# KiCad board Bus_Card.kicad_pcb (continued)
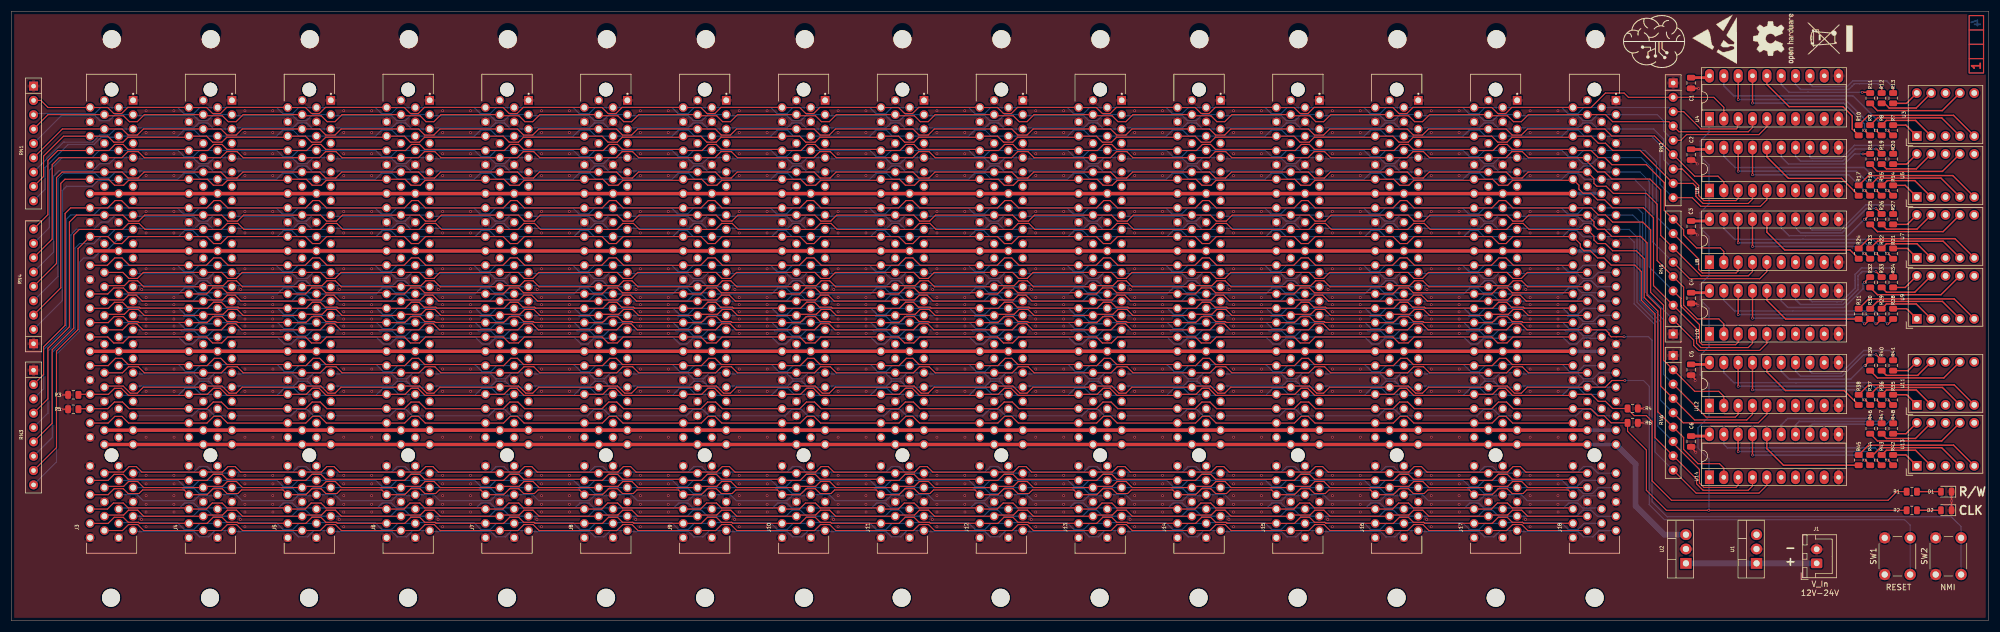
[diagram p0: board, top side]
## Routing (per net, layer and track width the routed paths; a pad name or vN(x,y) marks a point on that pad's centre or on a via; arc(x,y) is an arc through that point) (continued)
/~{IRQ}: length 275.7
  Top w0.2: J18.B27 268.43,59.15 267.37,60.21 265.88,60.21 265.02,59.35 261.68,59.35 J17.B27 250.93,59.15 249.86,60.21 248.37,60.21 247.52,59.35 244.18,59.35 J16.B27 233.43,59.15 232.36,60.21 230.87,60.21 230.02,59.35 226.68,59.35 J15.B27 215.93,59.15 214.86,60.21 213.38,60.21 212.51,59.35 209.18,59.35 J14.B27 198.43,59.15 197.36,60.21 195.88,60.21 195.01,59.35 191.68,59.35 J13.B27 180.93,59.15 179.86,60.21 178.38,60.21 177.51,59.35 174.18,59.35 J12.B27 163.43,59.15 162.36,60.21 160.88,60.21 160.01,59.35 156.68,59.35 J11.B27 145.93,59.15 144.86,60.21 143.38,60.21 142.51,59.35 139.18,59.35 J10.B27 128.43,59.15 127.36,60.21 125.88,60.21 125.01,59.35 121.68,59.35 J9.B27 110.93,59.15 109.86,60.21 108.38,60.21 107.51,59.35 104.18,59.35 J8.B27 93.43,59.15 92.36,60.21 90.88,60.21 90.01,59.35 86.68,59.35 J7.B27 75.93,59.15 74.87,60.21 73.38,60.21 72.51,59.35 69.18,59.35 J6.B27 58.43,59.15 57.37,60.21 55.88,60.21 55.01,59.35 51.68,59.35 J5.B27 40.93,59.15 39.87,60.21 38.38,60.21 37.51,59.35 34.18,59.35 J4.B27 23.43,59.15 22.37,60.21 20.88,60.21 20.02,59.35 16.68,59.35 J3.B27
/~{L_RAM}: length 278.7
  Top w0.2: J18.B24 265.89,62.96 264.59,64.26 263.32,64.26 262.02,62.96 J17.B24 248.39,62.96 247.09,64.26 245.82,64.26 244.52,62.96 J16.B24 230.89,62.96 229.59,64.26 228.32,64.26 227.02,62.96 J15.B24 213.39,62.96 212.09,64.26 210.82,64.26 209.52,62.96 J14.B24 195.89,62.96 194.59,64.26 193.32,64.26 192.02,62.96 J13.B24 178.39,62.96 177.09,64.26 175.82,64.26 174.52,62.96 J12.B24 160.89,62.96 159.59,64.26 158.32,64.26 157.02,62.96 J11.B24 143.39,62.96 142.09,64.26 140.82,64.26 139.52,62.96 J10.B24 125.89,62.96 124.59,64.26 123.32,64.26 122.02,62.96 J9.B24 108.39,62.96 107.09,64.26 105.82,64.26 104.52,62.96 J8.B24 90.89,62.96 89.59,64.26 88.32,64.26 87.02,62.96 J7.B24 73.39,62.96 72.09,64.26 70.82,64.26 69.52,62.96 J6.B24 55.89,62.96 54.59,64.26 53.32,64.26 52.02,62.96 J5.B24 38.39,62.96 37.09,64.26 35.82,64.26 34.52,62.96 J4.B24 20.89,62.96 19.59,64.26 18.32,64.26 17.02,62.96 J3.B24
/~{ML}: length 275.9
  Top w0.2: J3.B39 19.68,43.91 20.76,44.98 22.48,44.98 23.56,43.91 J4.B39 37.18,43.91 38.26,44.98 39.98,44.98 41.06,43.91 J5.B39 54.68,43.91 55.76,44.98 57.48,44.98 58.56,43.91 J6.B39 72.18,43.91 73.26,44.98 74.98,44.98 76.06,43.91 J7.B39 89.68,43.91 90.76,44.98 92.48,44.98 93.56,43.91 J8.B39 107.18,43.91 108.26,44.98 109.98,44.98 111.06,43.91 J9.B39 124.68,43.91 125.76,44.98 127.48,44.98 128.56,43.91 J10.B39 142.18,43.91 143.26,44.98 144.98,44.98 146.06,43.91 J11.B39 159.68,43.91 160.76,44.98 162.48,44.98 163.56,43.91 J12.B39 177.18,43.91 178.26,44.98 179.98,44.98 181.06,43.91 J13.B39 194.68,43.91 195.76,44.98 197.48,44.98 198.56,43.91 J14.B39 212.18,43.91 213.26,44.98 214.98,44.98 216.06,43.91 J15.B39 229.68,43.91 230.76,44.98 232.48,44.98 233.56,43.91 J16.B39 247.18,43.91 248.26,44.98 249.98,44.98 251.06,43.91 J17.B39 264.68,43.91 265.76,44.98 267.48,44.98 268.56,43.91 J18.B39
/~{NMI}: length 381.7
  Top w0.2: J3.B33 19.68,51.53 20.75,52.59 22.24,52.59 23.3,51.53 J4.B33 37.18,51.53 38.25,52.59 39.74,52.59 40.8,51.53 J5.B33 54.68,51.53 55.75,52.59 57.24,52.59 58.3,51.53 J6.B33 72.18,51.53 73.25,52.59 74.74,52.59 75.8,51.53 J7.B33 89.68,51.53 90.75,52.59 92.24,52.59 93.3,51.53 J8.B33 107.18,51.53 108.25,52.59 109.74,52.59 110.8,51.53 J9.B33 124.68,51.53 125.75,52.59 127.24,52.59 128.3,51.53 J10.B33 142.18,51.53 143.25,52.59 144.74,52.59 145.8,51.53 J11.B33 159.68,51.53 160.75,52.59 162.24,52.59 163.3,51.53 J12.B33 177.18,51.53 178.25,52.59 179.74,52.59 180.8,51.53 J13.B33 194.68,51.53 195.75,52.59 197.24,52.59 198.3,51.53 J14.B33 212.18,51.53 213.25,52.59 214.74,52.59 215.8,51.53 J15.B33 229.68,51.53 230.75,52.59 232.24,52.59 233.3,51.53 J16.B33 247.18,51.53 248.25,52.59 249.74,52.59 250.8,51.53 J17.B33 264.68,51.53 265.75,52.59 267.24,52.59 268.3,51.53 J18.B33 282.23,51.53 282.83,50.93 282.83,50.67 283.21,50.29 v1(285.5,50.29)
  Bottom w0.2: v1(285.5,50.29) 289.81,50.29 290.45,49.66 290.45,21.08 293.12,18.41 343.41,18.41 345.15,16.67 SW2.2
/~{RDY}: length 275.7
  Bottom w0.2: J3.A41 21.76,41.57 32.46,41.57 33.32,42.43 34.94,42.43 36,41.37 J4.A41 39.26,41.57 49.96,41.57 50.82,42.43 52.44,42.43 53.5,41.37 J5.A41 56.76,41.57 67.46,41.57 68.32,42.43 69.94,42.43 71,41.37 J6.A41 74.26,41.57 84.96,41.57 85.82,42.43 87.44,42.43 88.5,41.37 J7.A41 91.76,41.57 102.46,41.57 103.32,42.43 104.94,42.43 106,41.37 J8.A41 109.26,41.57 119.96,41.57 120.82,42.43 122.44,42.43 123.5,41.37 J9.A41 126.76,41.57 137.46,41.57 138.32,42.43 139.94,42.43 141,41.37 J10.A41 144.26,41.57 154.96,41.57 155.82,42.43 157.44,42.43 158.5,41.37 J11.A41 161.76,41.57 172.46,41.57 173.32,42.43 174.94,42.43 176,41.37 J12.A41 179.26,41.57 189.96,41.57 190.82,42.43 192.44,42.43 193.5,41.37 J13.A41 196.76,41.57 207.46,41.57 208.32,42.43 209.94,42.43 211,41.37 J14.A41 214.26,41.57 224.96,41.57 225.82,42.43 227.44,42.43 228.5,41.37 J15.A41 231.76,41.57 242.46,41.57 243.32,42.43 244.94,42.43 246,41.37 J16.A41 249.26,41.57 259.96,41.57 260.82,42.43 262.44,42.43 263.5,41.37 J17.A41 266.76,41.57 277.46,41.57 278.32,42.43 279.94,42.43 281,41.37 J18.A41
/~{RES}: length 367.6
  Top w0.2: v1(285.62,42.54) 283.34,42.54 282.16,41.37 J18.B41 268.37,41.37 267.3,40.3 266.07,40.3 264.8,41.57 261.68,41.57 J17.B41 250.87,41.37 249.8,40.3 248.57,40.3 247.3,41.57 244.18,41.57 J16.B41 233.37,41.37 232.3,40.3 231.07,40.3 229.8,41.57 226.68,41.57 J15.B41 215.87,41.37 214.8,40.3 213.57,40.3 212.3,41.57 209.18,41.57 J14.B41 198.37,41.37 197.3,40.3 196.07,40.3 194.8,41.57 191.68,41.57 J13.B41 180.87,41.37 179.8,40.3 178.57,40.3 177.3,41.57 174.18,41.57 J12.B41 163.37,41.37 162.3,40.3 161.07,40.3 159.8,41.57 156.68,41.57 J11.B41 145.87,41.37 144.8,40.3 143.57,40.3 142.3,41.57 139.18,41.57 J10.B41 128.37,41.37 127.3,40.3 126.07,40.3 124.8,41.57 121.68,41.57 J9.B41 110.87,41.37 109.8,40.3 108.57,40.3 107.3,41.57 104.18,41.57 J8.B41 93.37,41.37 92.3,40.3 91.07,40.3 89.8,41.57 86.68,41.57 J7.B41 75.87,41.37 74.8,40.3 73.57,40.3 72.3,41.57 69.18,41.57 J6.B41 58.37,41.37 57.3,40.3 56.07,40.3 54.8,41.57 51.68,41.57 J5.B41 40.87,41.37 39.8,40.3 38.57,40.3 37.3,41.57 34.18,41.57 J4.B41 23.37,41.37 22.3,40.3 21.07,40.3 19.8,41.57 16.68,41.57 J3.B41
  Bottom w0.2: v1(285.62,42.54) 288.93,42.54 289.94,41.53 289.94,20.57 292.61,17.91 335.15,17.91 336.13,16.93 SW1.2
/~{ROM}: length 275.7
  Bottom w0.2: J3.A25 21.76,61.48 32.27,61.48 33.13,60.62 34.87,60.62 35.94,61.69 J4.A25 39.26,61.48 49.77,61.48 50.63,60.62 52.37,60.62 53.44,61.69 J5.A25 56.76,61.48 67.27,61.48 68.13,60.62 69.87,60.62 70.94,61.69 J6.A25 74.26,61.48 84.77,61.48 85.63,60.62 87.37,60.62 88.44,61.69 J7.A25 91.76,61.48 102.27,61.48 103.13,60.62 104.87,60.62 105.94,61.69 J8.A25 109.26,61.48 119.77,61.48 120.63,60.62 122.37,60.62 123.44,61.69 J9.A25 126.76,61.48 137.27,61.48 138.13,60.62 139.87,60.62 140.94,61.69 J10.A25 144.26,61.48 154.77,61.48 155.63,60.62 157.37,60.62 158.44,61.69 J11.A25 161.76,61.48 172.27,61.48 173.13,60.62 174.87,60.62 175.94,61.69 J12.A25 179.26,61.48 189.77,61.48 190.63,60.62 192.37,60.62 193.44,61.69 J13.A25 196.76,61.48 207.27,61.48 208.13,60.62 209.87,60.62 210.94,61.69 J14.A25 214.26,61.48 224.77,61.48 225.63,60.62 227.37,60.62 228.44,61.69 J15.A25 231.76,61.48 242.27,61.48 243.13,60.62 244.87,60.62 245.94,61.69 J16.A25 249.26,61.48 259.77,61.48 260.63,60.62 262.37,60.62 263.44,61.69 J17.A25 266.76,61.48 277.27,61.48 278.13,60.62 279.87,60.62 280.94,61.69 J18.A25
/~{VP}: length 283
  Top w0.2: 66.23,45.38 55.68,45.38 54.59,46.48 53.45,46.48 52.14,45.18 J5.B38 ; 66.23,45.38 J6.B38 ; 66.23,45.38 J6.B38 ; 171.23,45.38 J12.B38 ; 171.23,45.38 J12.B38 ; 171.23,45.38 160.69,45.38 159.59,46.48 158.44,46.48 157.14,45.18 J11.B38 ; J12.B38 174.64,45.18 175.94,46.48 177.09,46.48 178.19,45.38 188.73,45.38 ; 136.23,45.38 125.69,45.38 124.59,46.48 123.44,46.48 122.14,45.18 J9.B38 ; 136.23,45.38 J10.B38 ; 136.23,45.38 J10.B38 ; J8.B38 104.64,45.18 105.94,46.48 107.09,46.48 108.19,45.38 118.73,45.38 ; J8.B38 101.23,45.38 ; J8.B38 101.23,45.38 ; 206.23,45.38 195.69,45.38 194.59,46.48 193.44,46.48 192.14,45.18 J13.B38 ; 206.23,45.38 J14.B38 ; 206.23,45.38 J14.B38 ; 223.73,45.38 213.19,45.38 212.09,46.48 210.94,46.48 209.64,45.18 J14.B38 ; 223.73,45.38 J15.B38 ; 223.73,45.38 J15.B38 ; J17.B38 262.14,45.18 263.44,46.48 264.59,46.48 265.69,45.38 276.23,45.38 J18.B38 ; J17.B38 258.73,45.38 ; J17.B38 258.73,45.38 ; J5.B38 48.73,45.38 ; J5.B38 48.73,45.38 ; J6.B38 69.64,45.18 70.94,46.48 72.09,46.48 73.19,45.38 83.73,45.38 ; 258.73,45.38 248.18,45.38 247.09,46.48 245.94,46.48 244.64,45.18 J16.B38 ; J15.B38 227.14,45.18 228.44,46.48 229.59,46.48 230.68,45.38 241.23,45.38 ; 48.73,45.38 38.18,45.38 37.09,46.48 35.95,46.48 34.64,45.18 J4.B38 ; 118.73,45.38 J9.B38 ; 118.73,45.38 J9.B38 ; 241.23,45.38 J16.B38 ; 241.23,45.38 J16.B38 ; 153.73,45.38 J11.B38 ; 153.73,45.38 143.19,45.38 142.09,46.48 140.94,46.48 139.64,45.18 J10.B38 ; 153.73,45.38 J11.B38 ; J4.B38 31.23,45.38 ; J4.B38 31.23,45.38 ; 188.73,45.38 J13.B38 ; 188.73,45.38 J13.B38 ; 31.23,45.38 20.69,45.38 19.59,46.48 18.45,46.48 17.14,45.18 J3.B38 13.73,45.38 ; 101.23,45.38 90.69,45.38 89.59,46.48 88.44,46.48 87.14,45.18 J7.B38 ; 83.73,45.38 J7.B38 ; 83.73,45.38 J7.B38
VDC: length 23.1
  Bottom w1: U2.1 J1.1
Net-(D1-A): length 4.2
  Top w0.25: R1.2 D1.2
Net-(D2-A): length 4.2
  Top w0.25: R2.2 D2.2
Net-(U3-A): length 4.9
  Top w0.25: 333.12,91.65 335.49,91.65 U3.10
Net-(U3-B): length 10.2
  Top w0.25: U3.9 337.19,90.81 332.43,90.81 331.59,91.65 331.09,91.65
Net-(U3-C): length 17.7
  Top w0.25: 329.06,91.65 330.34,90.36 341.82,90.36 U3.7
Net-(U3-D): length 22.7
  Top w0.25: U3.5 343.81,89.52 328.76,89.52 R10.2
Net-(U3-E): length 17.7
  Top w0.25: U3.4 341.72,89.07 330.34,89.07 R9.2
Net-(U3-F): length 10.3
  Top w0.25: R8.2 331.93,88.62 337.09,88.62 U3.2
Net-(U3-G): length 5
  Top w0.25: R7.2 335.38,87.78 U3.1
Net-(U4-I03): length 28.7
  Top w0.25: R9.1 328.95,85.96 v1(328.04,86.87) ; v1(308.23,91.69) U4.17
  Bottom w0.25: v1(308.23,91.69) 324.36,91.69 328.04,88.01 v1(328.04,86.87)
Net-(U4-IO1): length 35.4
  Top w0.25: R7.1 333.02,85.96 v1(332.11,86.87)
  Bottom w0.25: U4.19 303.15,94.74 304.93,92.96 326.01,92.96 v1(332.11,86.87)
Net-(U4-IO2): length 32.2
  Top w0.25: v1(305.69,92.33) U4.18 ; v1(330.07,86.87) 330.99,85.96 R8.1
  Bottom w0.25: v1(305.69,92.33) 324.61,92.33 v1(330.07,86.87)
Net-(U4-IO4): length 22.9
  Top w0.25: U4.16 310.77,95 314.71,91.06 324.23,91.06 325.88,89.41 325.88,87.1 R10.1
Net-(U4-IO5): length 17.9
  Top w0.25: v1(327.66,93.6) 328.93,93.6 R11.1
  Bottom w0.25: U4.15 313.31,95 314.71,93.6 v1(327.66,93.6)
Net-(U4-IO6): length 18.8
  Top w0.25: v1(331.09,94.49) R12.1
  Bottom w0.25: U4.14 315.85,95 316.74,94.11 325.25,94.11 326.26,95.12 330.45,95.12 v1(331.09,94.49)
Net-(U4-IO7): length 18.2
  Top w0.25: v1(333.12,94.49) R13.1
  Bottom w0.25: U4.13 318.39,95.12 318.9,94.61 324.99,94.61 326.01,95.63 331.98,95.63 v1(333.12,94.49)
Net-(U5-A): length 4.9
  Top w0.25: R20.2 335.51,80.88 U5.10
Net-(U5-B): length 10.2
  Top w0.25: U5.9 337.21,80.04 331.93,80.04 R19.2
Net-(U5-C): length 17.7
  Top w0.25: U5.7 341.84,79.59 330.34,79.59 R18.2
Net-(U5-D): length 22.7
  Top w0.25: U5.5 343.68,78.85 328.76,78.85 R17.2
Net-(U5-E): length 17.8
  Top w0.25: U5.4 341.59,78.4 330.34,78.4 R16.2
Net-(U5-F): length 10.3
  Top w0.25: R15.2 331.24,77.11 332.08,77.95 336.96,77.95 U5.2
Net-(U5-G): length 5
  Top w0.25: R14.2 335.26,77.11 U5.1
Net-(U6-I03): length 27.2
  Top w0.25: R16.1 328.14,76.2 v1(328.04,76.2) ; U6.17 v1(308.23,78.99)
  Bottom w0.25: v1(328.04,76.2) 325.25,78.99 v1(308.23,78.99)
Net-(U6-IO1): length 34.4
  Top w0.25: v1(332.11,76.2) 332.21,76.2 R14.1
  Bottom w0.25: U6.19 303.15,82.3 305.18,80.26 328.04,80.26 v1(332.11,76.2)
Net-(U6-IO2): length 31.4
  Top w0.25: v1(330.07,76.2) 330.18,76.2 R15.1 ; U6.18 v1(305.69,79.63)
  Bottom w0.25: v1(330.07,76.2) 326.64,79.63 v1(305.69,79.63)
Net-(U6-IO4): length 20.8
  Top w0.25: U6.16 310.77,82.17 314.58,78.36 323.98,78.36 326.14,76.2 326.14,76.18 R17.1
Net-(U6-IO5): length 18.7
  Top w0.25: R18.1 327.81,82.7 v1(327.79,82.68)
  Bottom w0.25: v1(327.79,82.68) 326.26,82.68 324.49,80.9 314.58,80.9 313.31,82.17 U6.15
Net-(U6-IO6): length 18.4
  Top w0.25: v1(330.07,83.57) 330.22,83.57 R19.1
  Bottom w0.25: U6.14 315.85,82.3 316.74,81.41 324.23,81.41 326.39,83.57 v1(330.07,83.57)
Net-(U6-IO7): length 18.6
  Top w0.25: v1(333.12,83.69) R20.1
  Bottom w0.25: U6.13 318.39,82.17 318.64,81.91 323.98,81.91 326.26,84.2 332.61,84.2 v1(333.12,83.69)
Net-(U7-A): length 4.9
  Top w0.25: R27.2 335.64,70.21 U7.10
Net-(U7-B): length 10.2
  Top w0.25: U7.9 337.34,69.37 331.93,69.37 R26.2
Net-(U7-C): length 17.6
  Top w0.25: U7.7 341.97,68.92 330.34,68.92 R25.2
Net-(U7-D): length 22.6
  Top w0.25: U7.5 344.06,67.67 328.76,67.67 R24.2
Net-(U7-E): length 17.6
  Top w0.25: U7.4 341.97,67.22 330.34,67.22 R23.2
Net-(U7-F): length 10.2
  Top w0.25: U7.2 337.34,66.77 331.93,66.77 R22.2
Net-(U7-G): length 4.9
  Top w0.25: R21.2 335.64,65.94 U7.1
Net-(U8-I03): length 26.6
  Top w0.25: U8.17 308.22,66.3 v1(308.23,66.29) ; R23.1 328.14,65.02 v1(328.04,65.02)
  Bottom w0.25: v1(328.04,65.02) 326.77,66.29 v1(308.23,66.29)
Net-(U8-IO1): length 33.8
  Top w0.25: v1(332.11,65.02) 332.21,65.02 R21.1
  Bottom w0.25: 303.14,71.12 303.14,69.47 305.05,67.56 329.56,67.56 v1(332.11,65.02)
Net-(U8-IO2): length 30.8
  Top w0.25: R22.1 330.18,65.02 v1(330.07,65.02) ; U8.18 305.68,66.93 v1(305.69,66.93)
  Bottom w0.25: v1(330.07,65.02) 328.17,66.93 v1(305.69,66.93)
Net-(U8-IO4): length 20.5
  Top w0.25: R24.1 327.03,64.13 325.5,65.66 313.94,65.66 310.76,68.84 310.76,71.12
Net-(U8-IO5): length 19.4
  Top w0.25: v1(328.04,71.12) 328.14,71.12 R25.1
  Bottom w0.25: v1(328.04,71.12) 325.12,68.2 314.71,68.2 313.3,69.6 U8.15
Net-(U8-IO6): length 19.3
  Top w0.25: R26.1 330.1,73.02 v1(330.07,73.02)
  Bottom w0.25: v1(330.07,73.02) 328.42,73.02 324.1,68.71 316.74,68.71 315.84,69.6 315.84,71.12
Net-(U8-IO7): length 19.6
  Top w0.25: v1(333.12,73.15) R27.1
  Bottom w0.25: v1(333.12,73.15) 332.61,73.66 328.3,73.66 323.85,69.21 318.77,69.21 318.38,69.6 318.38,71.12
Net-(U9-A): length 5
  Top w0.25: R34.2 335.26,59.03 U9.10
Net-(U9-B): length 10.3
  Top w0.25: R33.2 331.93,58.19 336.96,58.19 U9.9
Net-(U9-C): length 17.8
  Top w0.25: R32.2 330.34,57.74 341.59,57.74 U9.7
Net-(U9-D): length 22.6
  Top w0.25: R31.2 328.76,57.01 343.93,57.01 U9.5
Net-(U9-E): length 17.7
  Top w0.25: R30.2 330.34,56.56 341.84,56.56 U9.4
Net-(U9-F): length 10.2
  Top w0.25: U9.2 337.21,56.11 331.93,56.11 R29.2
Net-(U9-G): length 4.9
  Top w0.25: U9.1 335.51,55.27 R28.2
Net-(U10-I03): length 26.4
  Top w0.25: R30.1 328.19,52.58 v1(328.04,52.58) ; U10.17 v1(308.23,53.59)
  Bottom w0.25: v1(328.04,52.58) 327.03,53.59 v1(308.23,53.59)
Net-(U10-IO1): length 33.7
  Top w0.25: R28.1 332.26,52.58 v1(332.11,52.58)
  Bottom w0.25: U10.19 303.15,56.77 305.05,54.86 329.82,54.86 v1(332.11,52.58)
Net-(U10-IO2): length 30.6
  Top w0.25: U10.18 v1(305.69,54.23) ; v1(330.07,52.58) 330.22,52.58 R29.1
  Bottom w0.25: v1(330.07,52.58) 328.42,54.23 v1(305.69,54.23)
Net-(U10-IO4): length 19.3
  Top w0.25: R31.1 314.09,53.44 310.77,56.77 U10.16
Net-(U10-IO5): length 20.7
  Top w0.25: R32.1 328.95,60.86 v1(328.04,59.94)
  Bottom w0.25: v1(328.04,59.94) 327.79,59.69 327.79,58.8 324.49,55.5 314.45,55.5 313.31,56.64 U10.15
Net-(U10-IO6): length 21.4
  Top w0.25: v1(330.07,61.85) 330.1,61.85 R33.1
  Bottom w0.25: U10.14 315.85,56.9 316.74,56.01 324.23,56.01 326.9,58.67 326.9,61.09 327.66,61.85 v1(330.07,61.85)
Net-(U10-IO7): length 21.6
  Top w0.25: v1(333.12,61.98) R34.1
  Bottom w0.25: U10.13 318.39,56.9 318.77,56.51 323.98,56.51 326.39,58.93 326.39,61.34 327.53,62.48 332.61,62.48 v1(333.12,61.98)
Net-(U11-A): length 4.8
  Top w0.25: R41.2 335.76,44.3 U11.10
Net-(U11-B): length 10.1
  Top w0.25: R40.2 331.93,43.46 337.47,43.46 U11.9
Net-(U11-C): length 17.6
  Top w0.25: U11.7 342.1,43.01 330.34,43.01 R39.2
Net-(U11-D): length 22.6
  Top w0.25: R38.2 328.76,41.77 343.93,41.77 U11.5
Net-(U11-E): length 17.7
  Top w0.25: R37.2 330.34,41.32 341.84,41.32 U11.4
Net-(U11-F): length 10.2
  Top w0.25: U11.2 337.21,40.87 331.93,40.87 R36.2
Net-(U11-G): length 4.9
  Top w0.25: R35.2 335.51,40.03 U11.1
Net-(U12-I03): length 26.8
  Top w0.25: R37.1 328.14,39.12 v1(328.04,39.12) ; U12.17 308.22,40.9 v1(308.23,40.89)
  Bottom w0.25: v1(328.04,39.12) 326.26,40.89 v1(308.23,40.89)
Net-(U12-IO1): length 34.1
  Top w0.25: R35.1 332.21,39.12 v1(332.11,39.12)
  Bottom w0.25: 303.14,45.73 303.14,43.95 304.93,42.16 329.06,42.16 v1(332.11,39.12)
Net-(U12-IO2): length 31
  Top w0.25: R36.1 330.18,39.12 v1(330.07,39.12) ; U12.18 305.68,41.53 v1(305.69,41.53)
  Bottom w0.25: v1(305.69,41.53) 327.66,41.53 v1(330.07,39.12)
Net-(U12-IO4): length 20.3
  Top w0.25: R38.1 324.46,40.77 314.07,40.77 310.76,44.07 310.76,45.73
Net-(U12-IO5): length 19.2
  Top w0.25: v1(328.14,45.21) R39.1
  Bottom w0.25: U12.15 313.3,44.2 314.71,42.8 325.63,42.8 328.04,45.21 v1(328.14,45.21)
Net-(U12-IO6): length 19.1
  Top w0.25: R40.1 330.1,47.12 v1(330.07,47.12)
  Bottom w0.25: v1(330.07,47.12) 327.91,47.12 324.1,43.31 316.74,43.31 315.84,44.2 315.84,45.73
Net-(U12-IO7): length 19.5
  Top w0.25: v1(333.12,47.24) R41.1
  Bottom w0.25: 318.38,45.73 318.38,44.2 318.77,43.81 323.85,43.81 327.91,47.88 332.49,47.88 v1(333.12,47.24)
Net-(U13-A): length 5
  Top w0.25: U13.10 335.38,33.12 R48.2
Net-(U13-B): length 10.3
  Top w0.25: R47.2 331.93,32.29 337.09,32.29 U13.9
Net-(U13-C): length 17.7
  Top w0.25: U13.7 341.72,31.84 330.34,31.84 R46.2
Net-(U13-D): length 22.7
  Top w0.25: R45.2 328.76,31.1 343.81,31.1 U13.5
Net-(U13-E): length 17.7
  Top w0.25: U13.4 341.72,30.65 330.84,30.65 329.56,29.36 R44.2
Net-(U13-F): length 10.3
  Top w0.25: R43.2 331.93,30.2 337.09,30.2 U13.2
Net-(U13-G): length 5
  Top w0.25: U13.1 335.38,29.36 R42.2
Net-(U14-I03): length 25.3
  Top w0.25: v1(308.23,29.34) 308.22,29.34 U14.17 ; v1(328.04,28.45) 328.14,28.45 R44.1
  Bottom w0.25: v1(328.04,28.45) 327.15,29.34 v1(308.23,29.34)
Net-(U14-IO1): length 33.3
  Top w0.25: R42.1 332.21,28.45 v1(332.11,28.45)
  Bottom w0.25: v1(332.11,28.45) 329.95,30.61 303.78,30.61 303.14,31.25 303.14,33.02
Net-(U14-IO2): length 29.5
  Top w0.25: U14.18 305.68,29.98 v1(305.69,29.97) ; R43.1 330.18,28.45 v1(330.07,28.45)
  Bottom w0.25: v1(305.69,29.97) 328.55,29.97 v1(330.07,28.45)
Net-(U14-IO4): length 20
  Top w0.25: R45.1 313.71,27.54 310.76,30.48 310.76,33.02
Net-(U14-IO5): length 19.1
  Top w0.25: v1(329.06,36.07) R46.1
  Bottom w0.25: U14.15 313.3,34.67 314.45,35.81 328.8,35.81 v1(329.06,36.07)
Net-(U14-IO6): length 18.6
  Top w0.25: v1(331.09,36.07) R47.1
  Bottom w0.25: 315.84,33.02 315.84,34.67 316.48,35.31 330.33,35.31 v1(331.09,36.07)
Net-(U14-IO7): length 17.9
  Top w0.25: v1(333.12,36.07) R48.1
  Bottom w0.25: v1(333.12,36.07) 331.85,34.8 318.77,34.8 318.38,34.41 318.38,33.02

## Copper pours and planes (outline as drawn; the poured copper is in the pictures)
+5V on In2.Cu: 315.94,15.92 325.94,25.7 352.51,25.7 352.39,97.71 352.39,101.52 277.71,101.52 277.58,15.92 291.93,15.92 296.38,20.37 299.68,20.37 304.12,15.92
GND on Top, Bottom, In1.Cu, In2.Cu: 350.01,0 350.01,107.95 0,107.95 0,0

## Text on the board
F.Silkscreen: RESET | NMI | V_In / 12V-24V | - / + | R/W | CLK
